# KiCad board uaefi.kicad_pcb (continued)
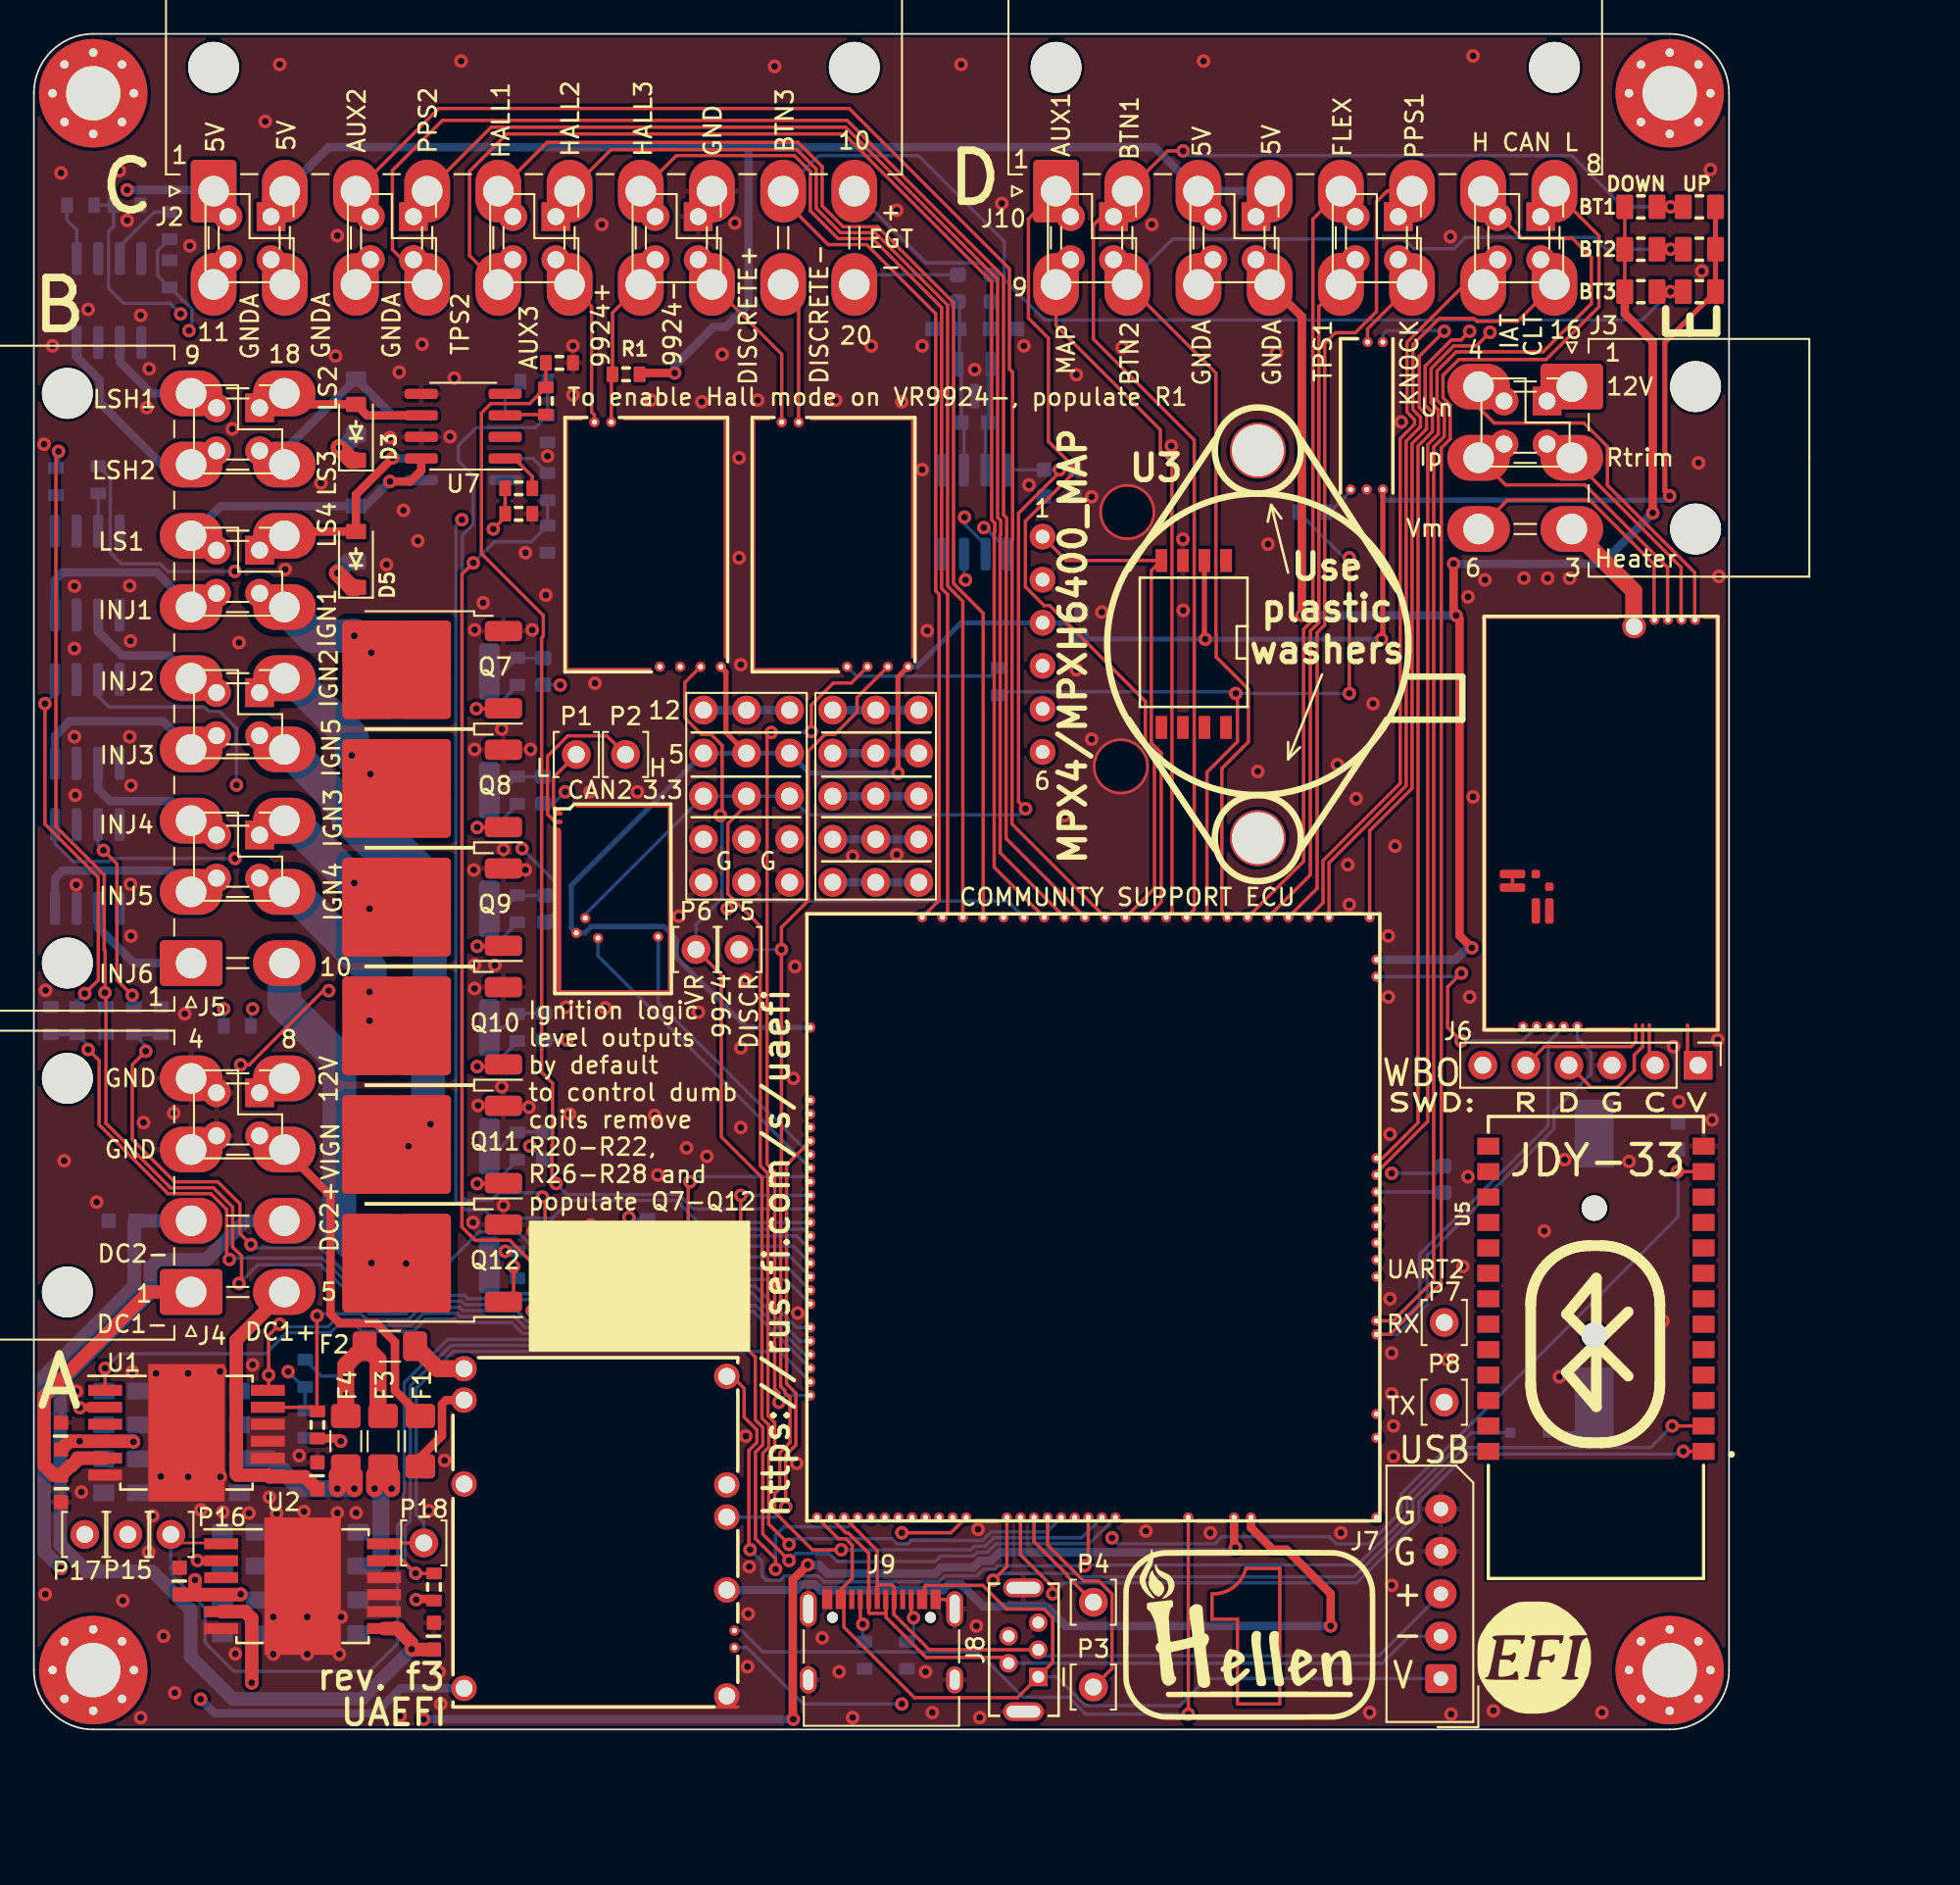
[diagram p0: board, top side]
## Footprints (pads in the part's own frame, mm; a bottom-side part is the same pattern mirrored in y, then rotated) (continued)
  oval 0.2x0.3 smd: S1(0.1,0.15) S1(0.1,0.15) S1(0.1,0.15) S1(16.9,20.65) S1(16.9,20.65) S1(16.9,20.65)
  oval 0.2x0.3 smd far side: S1(0.1,0.15) S1(16.9,20.65)
  oval 17x0.2 smd: S1(8.5,0.1) S1(8.5,0.1) S1(8.5,0.1)
  oval 17x0.2 smd far side: S1(8.5,0.1)
  oval 15.4x0.2 smd: S1(9.3,20.7) S1(9.3,20.7) S1(9.3,20.7)
  oval 15.4x0.2 smd far side: S1(9.3,20.7)
  oval 0.2x4.8 smd: S1(16.9,16.45) S1(16.9,16.45) S1(16.9,16.45)
  oval 0.2x4.8 smd far side: S1(16.9,16.45)
  oval 0.2x2.6 smd: S1(16.9,9.1) S1(16.9,9.1) S1(16.9,9.1)
  oval 0.2x2.6 smd far side: S1(16.9,9.1)
  oval 0.2x1 smd: S1(16.9,5.6) S1(16.9,5.6) S1(16.9,5.6)
  oval 0.2x1 smd far side: S1(16.9,5.6)
  oval 0.2x1.5 smd: S1(16.9,2.3) S1(16.9,2.3) S1(16.9,2.3)
  oval 0.2x1.5 smd far side: S1(16.9,2.3)
PROTO_AREA
  round 1.7 hole 1: 1(0,0) 2(2.54,0) 3(5.08,0) 4(7.62,0) 5(10.16,0) 6(0,-2.54) 7(2.54,-2.54) 8(5.08,-2.54) 9(7.62,-2.54) 10(10.16,-2.54) 11(0,-5.08) 12(2.54,-5.08) 13(5.08,-5.08) 14(7.62,-5.08) 15(10.16,-5.08)
R0603
  rrect 0.7x0.92 smd: 1(-0.8,0) 2(0.8,0)
R0805
  rrect 1x1.45 smd: 1(-0.95,0) 2(0.95,0)
R_2512_6332Metric
  rrect 1.225x3.35 smd: 1(-2.962,0) 2(2.962,0)
SOD-123
  rrect 0.9x1.2 smd: 1(-1.65,0) 2(1.65,0)
SOD-323
  rrect 0.6x0.6 smd: 1(-1.1,0) 2(1.1,0)
SOIC-8_3.9x4.9mm_P1.27mm
  rrect 1.95x0.6 smd: 1(-2.475,1.905) 2(-2.475,0.635) 3(-2.475,-0.635) 4(-2.475,-1.905) 5(2.475,-1.905) 6(2.475,-0.635) 7(2.475,0.635) 8(2.475,1.905)
SOT-23
  rrect 1.475x0.6 smd: 1(-0.938,0.95) 2(-0.938,-0.95) 3(0.938,0)
TO-252-2
  rrect 2.2x1.2 smd: 1(-5.04,2.28) 3(-5.04,-2.28)
  rrect 3.05x2.75 smd: 2(-0.415,1.525) 2(-0.415,-1.525) 2(2.935,1.525) 2(2.935,-1.525)
  rrect 6.4x5.8 smd: 2(1.26,0)
USB-MINI-B-VERTICAL
  rect 1.1x1.1 hole 0.7: 1(-1.6,-0.875)
  round 1.1 hole 0.7: 2(-0.8,0.875) 3(0,-0.875) 4(0.8,0.875) 5(1.6,-0.875)
  oval 1.1x2.4 hole 0.7x2: 6(-3.65,0) 6(3.65,0)
USB_C
  round 0.65 hole 0.65 unplated: (-2.89,2.605) (2.89,2.605)
  rect 0.3x1.15 smd: A1(-3.35,3.67) A4(-2.55,3.67) A5(-1.25,3.67) A6(-0.25,3.67) A7(0.25,3.67) A8(1.25,3.67) A9(2.55,3.67) A12(3.35,3.67) B1(3.05,3.67) B4(2.25,3.67) B5(1.75,3.67) B6(0.75,3.67) B7(-0.75,3.67) B8(-1.75,3.67) B9(-2.25,3.67) B12(-3.05,3.67)
  oval 1x2.1 hole 0.6x1.7: S1(-4.32,3.105) S1(4.32,3.105)
  oval 1x1.6 hole 0.6x1.2: S1(-4.32,-1.075) S1(4.32,-1.075)
vr-discrete
  round 0.6 hole 0.3: E1(14.8,6.9) E2(14.8,5.7) E3(14.8,8.1) E4(14.8,9.3) W1(0.375,2.84) W2(0.375,1.84)
  rect 0.25x6.185 smd: G(0.15,6.633) G(0.15,6.633) G(0.15,6.633)
  rect 0.25x6.185 smd far side: G(0.15,6.633)
  rect 0.25x1.115 smd: G(0.15,0.583) G(0.15,0.583) G(0.15,0.583)
  rect 0.25x1.115 smd far side: G(0.15,0.583)
  rect 14.275x0.25 smd: G(7.162,9.6) G(7.162,9.6) G(7.162,9.6)
  rect 14.275x0.25 smd far side: G(7.162,9.6)
  rect 15.1x0.25 smd: G(7.575,0.15) G(7.575,0.15) G(7.575,0.15)
  rect 15.1x0.25 smd far side: G(7.575,0.15)
  rect 0.25x5.175 smd: G(15,2.612) G(15,2.612) G(15,2.612)
  rect 0.25x5.175 smd far side: G(15,2.612)
vr-max9924
  round 0.6 hole 0.3: E1(14.8,6.9) E2(14.8,5.7) E3(14.8,8.1) E4(14.8,9.3) W1(0.375,2.84) W2(0.375,1.84)
  rect 0.25x6.185 smd: G(0.15,6.633) G(0.15,6.633) G(0.15,6.633)
  rect 0.25x6.185 smd far side: G(0.15,6.633)
  rect 0.25x1.115 smd: G(0.15,0.583) G(0.15,0.583) G(0.15,0.583)
  rect 0.25x1.115 smd far side: G(0.15,0.583)
  rect 14.275x0.25 smd: G(7.162,9.6) G(7.162,9.6) G(7.162,9.6)
  rect 14.275x0.25 smd far side: G(7.162,9.6)
  rect 15.1x0.25 smd: G(7.575,0.15) G(7.575,0.15) G(7.575,0.15)
  rect 15.1x0.25 smd far side: G(7.575,0.15)
  rect 0.25x5.175 smd: G(15,2.612) G(15,2.612) G(15,2.612)
  rect 0.25x5.175 smd far side: G(15,2.612)
wbo
  round 0.6 hole 0.3: E1(24.3,1.45) E2(24.3,3.85) E3(24.3,3.05) E4(24.3,2.25) W1(0.3,10.8) W2(0.3,10) W3(0.3,8.4) W4(0.3,9.2) W9(0.3,11.6)
  round 1.4 hole 1: E5(23.9,5.05)
  rect 0.25x1.9 smd: G(0.125,13.05) G(0.125,13.05) G(0.125,13.05) G(0.125,13.05)
  rect 0.25x1.9 smd far side: G(0.125,13.05)
  rect 0.25x2.65 smd: G(0.125,6.575)
  rect 0.25x7.9 smd far side: G(0.125,3.95)
  rect 0.25x7.9 smd: G(0.125,3.95) G(0.125,3.95)
  rect 0.25x1.6 smd: G(0.125,0.8)
  rect 24.6x0.25 smd: G(12.3,13.875) G(12.3,13.875) G(12.3,13.875) G(12.3,0.125) G(12.3,0.125) G(12.3,0.125)
  rect 24.6x0.25 smd far side: G(12.3,13.875) G(12.3,0.125)
  rect 0.25x8.05 smd: G(24.475,9.975) G(24.475,9.975) G(24.475,9.975)
  rect 0.25x8.05 smd far side: G(24.475,9.975)
  rect 0.25x0.95 smd: G(24.475,0.475) G(24.475,0.475) G(24.475,0.475)
  rect 0.25x0.95 smd far side: G(24.475,0.475)
  rrect 0.5x1.5 smd: J1(9.3,12.225) J_GND1(8.5,12.225)
  rrect 1.5x0.5 smd: J2(7.125,10.05) J_VCC2(7.125,10.85)
  rrect 0.5x0.5 smd: J_GND2(8.55,10.05) J_VCC1(9.3,10.85)
  rrect 0.5x0.2 smd: W5(0.25,4.95) W6(0.25,4.55) W7(0.25,4.15) W8(0.25,1.9)

## Nets
+3.3V: M6.N21 R9.2 R14.2 U1.2 U2.2
+3.3VA: C31.2 C32.2 C33.2 G3.3 G3.8 G3.13 M6.N15 M7.V2 U4.4 U5.12
+5V: M1.E4 M6.N22
+5VA: C27.2 G3.4 G3.9 G3.14 M2.E1 M3.E4 M4.E4 M5.W1 M6.E1 M6.W2 M7.V1 R38.2 R39.2 R40.2 U3.3
+5VP: J2.1 J2.2 J10.3 J10.4 J12.1 J12.2 J14.1 J14.2 M1.V4 R1.1
+12V: F2.1 F3.1 F4.1 J4.8 J22.1 R2.2
+12V_RAW: D2.1 D3.1 D4.1 D5.1 F2.2 G3.5 G3.10 G3.15 J3.1 J24.1 M1.V1 M1.V3
/12V_KEY: F1.1 J4.7 J22.3
/VBAT: D1.1 M1.E1 M6.N17
/VBUS: J7.1 J8.1 J9.A4 J9.A9 J9.B4 J9.B9 M6.N1
GND: BT1.2 C1.1 C2.1 C3.1 C4.1 C5.1 C6.1 C7.1 C8.1 C9.1 C10.1 C11.1 C12.1 C13.1 C14.1 C15.1 C16.1 C17.1 C18.1 C19.1 C20.1 C21.1 C22.1 C23.1 C24.1 C25.1 C26.1 C27.1 C28.1 C30.1 C31.1 C32.1 C33.1 D8.3 G3.1 G3.2 G3.6 G3.7 G3.11 G3.12 J2.8 J4.3 J4.4 J6.3 J7.4 J7.5 J8.5 J8.6 J9.A1 J9.A12 J9.B1 J9.B12 J9.S1 J17.1 J22.2 J22.4 M1.S1 M2.E2 M3.G M4.G M5.G M6.G M7.E1 Q7.3 Q8.3 Q9.3 Q10.3 Q11.3 Q12.3 R3.1 R7.1 R8.1 R10.1 R11.1 R12.1 R13.1 R15.2 R16.2 R29.1 R30.1 R31.1 R32.1 R33.1 R34.1 U1.6 U1.8 U1.9 U1.10 U1.13 U2.6 U2.8 U2.9 U2.10 U2.13 U3.2 U4.1 U5.13 U6.5 U6.7 U7.5 U7.7 U8.5 U8.7 U9.5 U9.7 U10.5 U10.7 U11.5 U11.7
GNDA: J2.11 J2.12 J2.13 J10.11 J10.12 J12.3 J12.4 J14.3 J14.4 J15.4 M6.W1 R35.1 R36.1 R37.1
/1_WBO_Ip: J3.5 J24.4 M5.E3
/2_WBO_Vm: J3.6 M5.E2
/3_WBO_Heater: J3.3 M5.E5
/5_WBO_Rtrim: J3.2 J24.3 M5.E4
/6_WBO_Un: J3.4 J24.2 M5.E1
/ADC3: M6.S15 R5.2 R6.2
/CAN+: J1.2 J10.7 M5.W4 M6.W11
/CAN-: J1.1 J10.8 M5.W3 M6.W12
/DC1_DIR: M6.E21 P15.1 U1.1
/DC1_DIS: M6.E8 R9.1 U1.11
/DC1_PWM: M6.E20 P17.1 U1.12
/DC2_DIR: M6.E9 P16.1 U2.1
/DC2_DIS: M6.N4 R14.1 U2.11
/DC2_PWM: M6.E22 P18.1 U2.12
/DC Driver 1/PWR: C1.2 C2.2 C3.2 C4.2 C5.2 C6.2 C7.2 C8.2 C9.2 C10.2 C11.2 F4.2 U1.4
/DC Driver 2/PWR: C14.2 C15.2 C16.2 C17.2 C18.2 C19.2 C20.2 C21.2 C22.2 C23.2 C24.2 F3.2 U2.4
/EGT+: J2.10 L1.1
/EGT-: J2.20 L2.1
/EGT/SPI_CS: M6.N9 U4.6
/IGN1: F6.2 M6.W10
/IGN2: F5.2 M6.W9
/IGN3: F7.2 M6.W8
/IGN4: F8.2 M6.W7
/IGN5: F9.2 M6.W6
/IGN6: F10.2 M6.W5
/IN_AUX1: J10.1 J13.2 M6.S11
/IN_AUX2: J2.3 J15.2 M6.S10
/IN_AUX3: J2.15 J16.4 M6.S7
/IN_BUTTON1: J10.2 J13.1 M6.S14 R35.2 R38.1
/IN_BUTTON2: J10.10 J13.3 M6.S16 R36.2 R39.1
/IN_BUTTON3: J2.9 M6.S1 R37.2 R40.1
/IN_CLT: J1.3 J10.16 M6.S21
/IN_FLEX: J10.5 J11.2 M6.S17
/IN_HALL1: J2.5 J16.2 M6.S4
/IN_HALL2: J2.6 J16.1 M6.S3
/IN_HALL3: J2.7 J17.2 M6.S2
/IN_IAT: J1.4 J10.15 M6.S20
/IN_KNOCK: M2.E3 R6.1
/IN_KNOCK_RAW: J10.14 J11.3 M2.W1
/IN_MAP: J10.9 J13.4 M6.S13
/IN_PPS1: J10.6 J11.1 M6.S19
/IN_PPS2: J2.4 J15.1 M6.S8
/IN_TPS1: J10.13 J11.4 M6.S18
/IN_TPS2: J2.14 J15.3 M6.S9
/IN_VIGN: F1.2 M1.V2
/IN_VMAIN: M6.S6 R2.1 R3.2
/INJ1: M6.E17 R29.2 R42.1
/INJ2: M6.E16 R30.2 R43.1
/INJ3: M6.E15 R31.2 R44.1
/INJ4: M6.E14 R32.2 R45.1
/INJ5: M6.E13 R33.2 R46.1
/INJ6: M6.E12 R34.2 R47.1
/INTERNAL_MAP: M6.S12 U3.1
/LS1: M6.E11 R10.2 R48.1
/LS2: M6.E10 R11.2 R49.1
/LS3: M6.E18 R12.2 R50.1
/LS4: M6.E19 R13.2 R51.1
/LS_HOT1: M6.W4 R16.1 R41.1
/LS_HOT2: M6.W3 R4.1 R15.1
/MISO3: M6.N11 U4.7
/OUT_DC1+: C13.2 J4.5 U1.7
/OUT_DC1-: C12.2 J4.1 U1.5
/OUT_DC2+: C26.2 J4.6 U2.7
/OUT_DC2-: C25.2 J4.2 U2.5
/OUT_IGN1: J5.15 J19.3 Q7.2 R20.2
/OUT_IGN2: J5.14 J20.1 Q8.2 R21.2
/OUT_IGN3: J5.12 J21.1 Q9.2 R22.2
/OUT_IGN4: J5.11 J21.3 Q10.2 R26.2
/OUT_IGN5: J5.13 J20.3 Q11.2 R27.2
/OUT_IGN6: J5.10 Q12.2 R28.2
/OUT_INJ1: J5.6 J19.4 U9.8
/OUT_INJ2: J5.5 J20.2 U9.6
/OUT_INJ3: J5.4 J20.4 U10.8
/OUT_INJ4: J5.3 J21.2 U10.6
/OUT_INJ5: J5.2 J21.4 U11.8
/OUT_INJ6: J5.1 U11.6
/OUT_LS1: D2.2 J5.7 J19.2 U7.8
/OUT_LS2: D3.2 J5.18 J18.1 U7.6
/OUT_LS3: D4.2 J5.17 J18.3 U8.8
/OUT_LS4: D5.2 J5.16 J19.1 U8.6
/OUT_LS_HOT1: J5.9 J18.2 U6.6
/OUT_LS_HOT2: J5.8 J18.4 U6.8
/PG_5VP: M1.E6 M6.N12
/PWR_EN: M1.E5 M6.N20
/SCK3: M6.N10 U4.5
/USB+: J7.3 J8.3 J9.A6 J9.B6 M6.N3
/USB-: J7.2 J8.2 J9.A7 J9.B7 M6.N2
/VIGN: M1.E3 M6.E5
/VR_DISCRETE: M3.E3 M6.N18 P5.1
/VR_DISCRETE+: J2.18 J17.3 M3.W2
/VR_DISCRETE-: J2.19 M3.W1
/VR_DISCRETE_A: M3.E2 R5.1
/VR_DISCRETE_THR: M3.E1 M6.E23
/VR_MAX9924: M4.E3 M6.N19 P6.1
/VR_MAX9924+: J2.16 J16.3 M4.W2
/VR_MAX9924-: J2.17 J17.4 M4.W1 R1.2
/VREF1: M2.W2 M6.S22
Net-(BT1-+): BT1.1 D1.2
Net-(F5-Pad1): F5.1 R18.2 R21.1
Net-(F6-Pad1): F6.1 R17.2 R20.1
Net-(F7-Pad1): F7.1 R19.2 R22.1
Net-(F8-Pad1): F8.1 R23.2 R26.1
Net-(F9-Pad1): F9.1 R24.2 R27.1
Net-(F10-Pad1): F10.1 R25.2 R28.1
Net-(G4-Pad1): G4.1 G4.6 G4.11
Net-(G4-Pad10): G4.5 G4.10 G4.15
Net-(G4-Pad12): G4.2 G4.7 G4.12
Net-(G4-Pad13): G4.3 G4.8 G4.13
Net-(G4-Pad14): G4.4 G4.9 G4.14
Net-(J6-Pin_1): J6.1 M5.W8
Net-(J6-Pin_2): J6.2 M5.W7
Net-(J6-Pin_4): J6.4 M5.W6
Net-(J6-Pin_5): J6.5 M5.W5
Net-(J9-CC1): J9.A5 R7.2
Net-(J9-CC2): J9.B5 R8.2
Net-(M5-PULL_DOWN1): M5.J1 M5.J_GND1
Net-(M6-LED_GREEN): M6.N14a P4.1
Net-(M6-LED_YELLOW): M6.N14b P3.1
Net-(M6-SPI2_CS_/_CAN2_RX_(PB12)): M6.E6 M7.V6
Net-(M6-SPI2_SCK_/_CAN2_TX_(PB13)): M6.E7 M7.V5
Net-(M6-UART2_RX_(PD6)): M6.N14 P7.1 U5.1
Net-(M6-UART2_TX_(PD5)): M6.N13 P8.1 U5.2
Net-(M7-CANH): M7.S2 P2.1
Net-(M7-CANL): M7.S1 P1.1
Net-(Q7-G): Q7.1 R17.1
Net-(Q8-G): Q8.1 R18.1
Net-(Q9-G): Q9.1 R19.1
Net-(Q10-G): Q10.1 R23.1
Net-(Q11-G): Q11.1 R24.1
Net-(Q12-G): Q12.1 R25.1
Net-(U4-T+): C29.2 C30.2 D8.2 L1.2 U4.3
Net-(U4-T-): C28.2 C29.1 D8.1 L2.2 U4.2
Net-(U6-IN1): R4.2 U6.1
Net-(U6-IN2): R41.2 U6.3
Net-(U7-IN1): R48.2 U7.1
Net-(U7-IN2): R49.2 U7.3
Net-(U8-IN1): R50.2 U8.1
Net-(U8-IN2): R51.2 U8.3
Net-(U9-IN1): R42.2 U9.1
Net-(U9-IN2): R43.2 U9.3
Net-(U10-IN1): R44.2 U10.1
Net-(U10-IN2): R45.2 U10.3
Net-(U11-IN1): R46.2 U11.1
Net-(U11-IN2): R47.2 U11.3

Pads without a net: H1 1; H2 1; H3 1; H4 1; J6 6; J8 4; J9 A8 B8; M1 E2; M4 E1 E2; M5 J2 J_GND2 J_VCC1 J_VCC2 W2 W9; M6 E2 E3 E4 N5 N6 N7 N8 N16 N23 S5 W13 W14; U1 3; U2 3; U3 0 4 5 6; U4 8; U5 3 4 5 6 7 8 9 10 11 14 15 16 17 18 19 20 21 22 23 24 25 26; U6 2 4; U7 2 4; U8 2 4; U9 2 4; U10 2 4; U11 2 4

## Via types
v1: diameter 0.8, hole 0.4, Top to Bottom, 374 vias
v2: diameter 3.3, hole 3, Top to Bottom, 2 vias

## Routing (per net, layer and track width the routed paths; a pad name or vN(x,y) marks a point on that pad's centre or on a via; arc(x,y) is an arc through that point)
+3.3V: length 105.7
  Top w0.5: v1(44.8,0.6) 44.77,0.63 44.77,8.82 v1(45.65,9.71) ; R14.2 23.5,7.7 22.4,7.7 ; v1(2.71,18.97) 2.73,19 U1.2 ; v1(70.88,10.72) 70.8,10.8 M6.N21 ; v1(9.65,9.96) 9.66,9.95 10.82,9.95 ; v1(18.1,17) 17.94,17.16 R9.2
  In2.Cu w0.5: 16.95,10.24 16.95,15.85 v1(18.1,17) ; v1(23,0.6) 23,4.05 23.41,4.46 23.41,6.69 19.86,10.24 9.66,10.24 9.42,10 9.5,10.08 9.5,11.95 8.7,12.75 8.22,12.75 2.71,18.26 v1(2.71,18.97)
  Bottom w0.5: v1(44.8,0.6) v1(23,0.6) ; v1(45.65,9.71) 46.32,9.71 46.82,9.2 53.18,9.2 53.53,9.56 55.43,9.56 55.82,9.95 56.47,9.95 56.97,10.45 70.61,10.45 v1(70.88,10.72)
  vias: v1(22.55,7.65)
+3.3VA: length 169.7
  Top w0.2: U5.12 97.11,32.9 97,32.79 ; v1(58.5,54.3) 58.08,54.72 58.08,71.73 60.5,74.15 v1(60.5,74.29) ; v1(44.55,10.91) 43.35,12.11 43.35,16.15 43.7,16.5 43.7,18.1 43.3,18.5 43.3,32.79 42.85,33.24 42.85,47.37 40.94,49.28 40.94,53.42 42.04,54.52 G3.8
  In2.Cu w0.2: v1(63.6,11.3) 61.8,11.3 M6.N15
  Bottom w0.2: M7.V2 32.52,48.06 G3.3 G3.13 45.68,53.94 58.14,53.94 v1(58.5,54.3) ; 57.41,74.28 57.42,74.29 C32.2 ; v1(63.6,11.3) 63.95,10.95 69.67,10.95 70.09,11.37 76.41,11.37 76.83,10.95 78.75,10.95 80.65,12.85 80.65,13.88 97,30.23 C33.2 ; M6.N15 59.75,11.65 56.47,11.65 55.97,11.15 51.77,11.15 51.57,10.95 50.93,10.95 50.63,11.25 44.89,11.25 v1(44.55,10.91)
  vias: v1(96.95,32.9)
+5V: length 45.9
  Top w0.5: v1(76.5,6.1) 76.5,8 73.9,10.6 73.1,10.6 71.8,11.9 M6.N22
  Bottom w0.5: v1(76.5,6.1) 60.87,6.1 59.72,7.25 56,7.25 54.69,8.56 53.95,8.56 53.59,8.2 46.41,8.2 46.05,8.56 45.31,8.56 44.98,8.22 M1.E4
+5VA: length 170.3
  Top w0.2: v1(84.21,44.61) 83.4,43.79 83.4,41.41 v1(84.2,40.61)
  Top w0.3: R38.2 R40.2 96.22,81.81 96.22,73.03 v1(96.5,72.75) ; G3.9 40.83,58.8 40.83,62.38 M4.E4 ; M2.E1 79.57,64.37 v1(79.5,64.3) ; U3.3 69.05,64.35 v1(69.1,64.3) ; M3.E4 50.97,62.07 v1(50.97,56.4)
  In2.Cu w0.2: v1(84.21,44.61) 84.18,44.65 84.18,59.62 v1(79.5,64.3)
  Bottom w0.2: v1(84.21,44.61) 84.01,44.4 M6.W2 ; v1(84.2,40.61) 85.35,40.61 85.35,40.61 87.81,40.61 M5.W1
  Bottom w0.3: v1(96.5,72.75) 96.25,72.5 79.78,72.5 79.57,72.7 M2.E1 ; M6.E1 42.03,41.4 37.91,45.52 37.91,46.59 37.15,47.35 32.87,47.35 32.5,46.98 M7.V1 31.7,47.28 31.7,49.78 G3.4 G3.14 45.76,56.4 v1(50.97,56.4) ; M3.E4 52.1,62.67 54.69,65.27 U3.3 60.84,65.27 C27.2 69.09,64.31 v1(69.1,64.3) v1(79.5,64.3)
+5VP: length 201.8
  Top w0.5: R1.1 35.81,80 v1(37.8,80)
  In2.Cu w0.5: v1(5.5,90.8) 4.6,89.9 4.6,52.6 4.96,52.24 4.96,51.56 4.84,51.45 4.84,44.26 4.99,44.11 4.99,24.99 0.7,20.7 0.7,9.1 1.2,8.6 6.05,8.6 9.83,4.82 v1(9.83,1.78) ; J2.1 J2.2
  Bottom w0.5: J2.2 17.4,93.33 42.15,93.33 ; J10.4 J10.3 66.1,93.33 42.15,93.33 ; v1(9.83,1.78) 10.67,0.95 20.15,0.95 21.63,2.43 M1.V4 ; 42.15,93.33 42.16,93.31 42.16,84.06 40.83,82.72 40.09,82.72 37.8,80.43 v1(37.8,80) ; J2.1 10.52,90.8 v1(5.5,90.8)
+12V: length 36.9
  Top w1: 20.3,18.49 v1(20.3,19.75) v1(20.3,20.85) 20.3,21.81 F2.1 18.4,21.49 v1(18.4,20.85) v1(18.4,19.75) F4.1
  In2.Cu w1: J4.8 18.4,34.78 18.4,20.9 ; 18.4,20.9 18.45,20.85 v1(20.3,20.85) v1(20.3,19.75) v1(18.4,19.75) 18.4,20.9
  Bottom w0.2: v1(18.4,20.85) 16.95,20.85 R2.2
+12V_RAW: length 255.4
  Top w1: F2.2 23.81,21.28 M1.V1 ; v1(18,75.6) 18.75,74.85 D3.1 ; D5.1 18.75,67.35 v1(17.9,68.2)
  In2.Cu w0.5: v1(17.9,68.2) 24.36,61.74 27.95,61.74 29.14,60.55 33.68,60.55 34.03,60.9 38.72,60.9 G3.5
  In2.Cu w1: J3.1 91.7,80.17 91.7,92.1 88.9,94.9 19.85,94.9 18.17,93.22 9.12,93.22 8.57,92.68 8.57,90.29 7.6,89.31 7.6,81.12 7.92,80.8 16.1,80.8 18,78.9 v1(18,75.6) 18,72.45 ; 23.17,21.3 23.2,21.28 M1.V1 ; 23.17,21.3 23.17,15.23 23.93,14.47 M1.V3 ; 23.17,21.3 23.17,27.82 19.75,31.25 19.75,36.79 15.94,40.6 8.6,40.6 6.85,42.35 6.85,43.65 6.77,43.72 6.77,71.43 7.8,72.45 18,72.45 ; 18,72.45 18,68.3 v1(17.9,68.2)
  Bottom w0.5: G3.15 G3.5
  Bottom w1: 18,75.61 18.26,75.61 D4.1 ; D2.1 18.55,68.85 v1(17.9,68.2)
/12V_KEY: length 20.3
  Top w0.5: F1.1 21.3,19.99 21.3,22.85 20.2,23.95 18.05,23.95 17.5,24.5 17.5,31.47 J4.7
/VBAT: length 64.9
  Top w0.2: M1.E1 41.19,20.82 41.9,20.12 41.9,18.42 42.65,17.67 42.65,16.93 42.17,16.45 42.17,10.69 42.25,10.61 v1(42.25,10.6) ; v1(61.99,9.65) 62.2,9.86 M6.N17
  Bottom w0.2: D1.1 84.79,17.5 81,13.71 81,12.61 78.09,9.7 62.04,9.7 v1(61.99,9.65) 56.87,9.65 56.67,9.45 56.03,9.45 55.64,9.06 53.74,9.06 53.39,8.7 46.61,8.7 46.26,9.06 44.27,9.06 44.02,8.8 43.2,8.8 42.95,9.05 42.95,9.9 v1(42.25,10.6)
/VBUS: length 60.3
  Top w0.2: J9.B4 J9.A9 52.55,8.44 52.6,8.5 55.97,8.5 57.37,7.1 59.58,7.1 60.1,6.58 60.1,3.95 J8.1 58.03,1.88 51.94,1.88 47.78,6.03 47.78,7.63 J9.B9 J9.A4 47.45,8.09 48.27,8.92 48.27,10.86 47.89,11.24 47.46,11.24 M6.N1
  Bottom w0.2: J7.1 69.2,3 67.6,1.4 62.04,1.4 60.34,3.1 J8.1
GND: length 1.5
  Top w0.2: J9.S1 53.75,7.67 J9.B1
  vias: v1(0.6,75.8) v1(0.69,43.59) v1(0.67,7.97) v1(1.1,81.6) v1(1.6,91.8) v1(1.79,33.54) v1(2.39,67.43) v1(2.39,63.75) v1(2.39,58.55) v1(2.44,55.1) v1(2.49,49.81) v1(2.51,19.94) v1(2.8,14) v1(3.2,83.75) v1(3.7,31.1) v1(5.04,91.94) v1(5.25,7.6) v1(5.5,89) v1(5.65,67.45) v1(5.65,58.55) v1(5.7,64.2) v1(5.72,55.67) v1(5.7,49.85) v1(5.73,46.8) v1(5.8,21.1) v1(6.3,83.4) v1(6.3,0.7) v1(6.47,35.79) v1(6.66,77.96) v1(6.8,80.25) v1(6.77,10.46) v1(7,12.6) v1(7.2,21) v1(7.48,14.92) v1(7.65,5.5) v1(8.25,36.35) v1(8.31,2.16) v1(8.9,42.2) v1(9.1,21) v1(9.1,14.9) v1(9.2,87.5) v1(9.85,12.95) v1(10.98,21.11) v1(11,14.9) v1(11.14,12.82) v1(11.7,76.7) v1(11.88,4.46) v1(12.1,64.1) v1(12.69,12.76) v1(12.9,21.5) v1(13.65,94.84) v1(13.9,13.7) v1(14.12,6.64) v1(14.12,4.44) v1(14.32,12.74) v1(14.5,98.2) v1(14.82,68.42) v1(15.65,16.15) v1(15.94,12.85) v1(16.12,6.64) v1(16.12,4.44) v1(16.93,73.51) v1(17.8,81) v1(17.9,88.1) v1(17.9,12.77) v1(18.02,4.44) v1(18.12,6.64) v1(19.01,12.77) v1(20.8,68.7) v1(21,76.2) v1(21.55,80.05) v1(21.6,0.8) v1(21.8,71.9) v1(22.65,70.1) v1(22.9,81.7) v1(23.3,12.9) v1(23.9,3.4) v1(24,1.5) v1(24.22,15.86) v1(24.55,76.25) v1(24.8,79.7) v1(25.2,98.4) v1(25.9,29.9) v1(26,64.85) v1(26,57.8) v1(25.95,50.69) v1(26,45.1) v1(26,43.7) v1(26.2,36.8) v1(26.5,66.45) v1(27.2,45.07) v1(27.6,59) v1(27.6,37.9) v1(27.7,51.9) v1(27.7,30.9) v1(29,69.4) v1(28.99,50.69) v1(29.2,36.7) v1(29.3,57.8) v1(29.4,64.85) v1(29.46,29.39) v1(30.2,66.9) v1(30.3,75.1) v1(30.8,28.85) v1(31.4,42.6) v1(31.6,36.3) v1(31.8,81.6) v1(31.8,78.7) v1(32.8,55.3) v1(32.85,29.75) v1(33.1,61.7) v1(33.5,88.76) v1(33.71,42.55) v1(34.95,25.35) v1(35.6,55.3) v1(36.4,78.4) v1(36.61,36.22) v1(36.8,32.7) v1(38.05,47.96) v1(38.5,34.3) v1(39.2,42.3) v1(39.4,78.3) v1(39.6,24.2) v1(39.7,33.8) v1(40.6,81.1) v1(41.35,88.85) v1(41.6,75) v1(41.6,69.1) v1(41.7,62.8) v1(41.7,40.2) v1(41.7,35.5) v1(41.99,44.24) v1(42,17.3) v1(42.14,6.81) v1(42.1,3.7) v1(42.2,9.6) v1(42.7,78.4) v1(43.7,98.09) v1(44.8,38.4) v1(44.9,45) v1(45,15.7) v1(45.06,24.56) v1(46.5,5.4) v1(47.3,78.4) v1(47.5,3.4) v1(48.3,51.5) v1(48.3,0.7) v1(49.4,81.6) v1(50.9,89.6) v1(50.9,51.6) v1(51.2,78.3) v1(52.4,81.6) v1(52.4,74.3) v1(52.6,3.4) v1(52.7,64.8) v1(53,1) v1(54.7,98.2) v1(55.5,80.2) v1(55.6,6.1) v1(55.7,11.8) v1(55.8,0.7) v1(57.1,90) v1(58.4,81.6) v1(58.7,73.4) v1(60.8,53.9) v1(61.5,79.9) v1(61.5,62.5) v1(62.4,72.7) v1(62.4,58.4) v1(63,65.9) v1(64.2,81.5) v1(65.6,11.7) v1(65.95,88.76) v1(67.1,75.7) v1(67.78,70.2) v1(67.8,66) v1(69,98.4) v1(69.4,11.6) v1(72.2,56.5) v1(72.8,69.9) v1(73.3,81.2) v1(76.9,56.9) v1(77.1,11.6) v1(77.51,51) v1(77.6,48.65) v1(78,54.9) v1(78.8,1) v1(79,60.5) v1(79.9,46.8) v1(79.9,43.2) v1(80,35.1) v1(80,25.4) v1(80.1,22.2) v1(80.1,19.8) v1(80.1,8.5) v1(80.2,17.9) v1(80.2,16.1) v1(80.3,52.1) v1(80.67,77.12) v1(83.4,21.8) v1(83.56,88.04) v1(83.6,0.9) v1(84.3,27.3) v1(84.6,66.8) v1(84.6,32.6) v1(84.7,43.2) v1(84.9,98.7) v1(84.9,55) v1(85.6,67.8) v1(86.1,1.1) v1(87.9,67.9) v1(89.1,29.4) v1(89.3,67.9) v1(90,20.8) v1(90.3,33.6) v1(90.6,67.9) v1(92.5,1) v1(94.1,33.5) v1(96.1,24.1) v1(96.72,40.28) v1(97.05,37.02) v1(98.2,74.7) v1(98.39,86.01) v1(98.9,92) v1(99,35.95) v1(99.33,40.67) v1(99.4,68) v2(64.12,56.8) v2(64.5,71.8)
GNDA: length 155.1
  Top w0.2: R35.1 R37.1
  Top w0.5: v1(83.75,68.75) 83.75,65.85 v1(83.9,65.7) 84.1,65.5 84.1,46.83 v1(84.83,46.1) ; v1(74.8,65.7) 74.8,83.33 J10.12 ; v1(95.5,71.75) 95.5,81.85 93.85,83.5 R37.1
  In2.Cu w0.5: J10.12 J10.11 65.97,87.95 21.11,87.95 19,85.83 J2.13 J2.11
  Bottom w0.5: M6.W1 83.87,45.4 84.57,46.1 v1(84.83,46.1) ; v1(95.5,71.75) 92.5,68.75 v1(83.75,68.75) ; v1(74.8,65.7) v1(83.9,65.7)
/1_WBO_Ip: length 16.9
  Top w0.2: J3.5 86.82,73.4 91.5,73.4 96.38,68.53 96.38,65.47 M5.E3
/2_WBO_Vm: length 15.9
  Top w0.2: M5.E2 95.57,65.47 95.57,68.71 91.79,72.5 86.93,72.5 J3.6
/3_WBO_Heater: length 7.3
  Top w1: M5.E5 94.38,65.08 94.38,67.15 J3.3
/5_WBO_Rtrim: length 12.2
  Top w0.2: M5.E4 97.18,65.47 97.18,68.54 90.72,74.99 J3.2
/6_WBO_Un: length 22.1
  Top w0.2: J3.4 85.22,77.97 86.15,77.05 91.44,77.05 92.82,75.66 92.82,73.38 97.97,68.23 97.97,65.47 M5.E1
/ADC3: length 46.9
  Top w0.2: v1(70.9,61.1) 71,61 71,58.26 69.2,56.46 M6.S15 ; v1(77.6,69.1) v1(77.6,61.1)
  Bottom w0.2: v1(77.6,69.1) 77.3,69.1 R6.2 ; R5.2 57.1,61.2 70.8,61.2 v1(70.9,61.1) v1(77.6,61.1)
/CAN+: length 103
  Top w0.2: J10.7 85.5,90.22 87.77,87.95 90.75,87.95 91.88,86.83 91.88,84.09 89.03,81.25 84.47,81.25 83.91,81.25 82.78,80.12 82.78,78.4 83.01,78.17 83.01,78.16 83.2,77.97 83.2,76.26 82.57,75.63 82.57,26.49 80.18,24.1 M6.W11
  Bottom w0.2: M5.W4 89.32,40.53 89.32,35.61 81.75,28.03 81.75,25.14 80.71,24.1 M6.W11
/CAN-: length 102.2
  Top w0.2: J10.8 92.32,88.1 92.32,83.91 89.22,80.8 84.06,80.8 83.12,79.86 83.12,78.55 83.36,78.31 83.36,78.3 83.55,78.11 83.55,76.11 83.03,75.59 83.03,26.31 80.02,23.3 M6.W12
  Bottom w0.2: M5.W3 91.05,40.75 91.85,39.95 91.85,38.65 89.68,36.47 89.68,35.42 82.2,27.95 82.2,25.1 80.4,23.3 M6.W12
/DC1_DIR: length 64
  Top w0.2: U1.1 v1(4.2,21.3)
  In2.Cu w0.2: v1(4.2,21.3) 2.2,21.3 1.2,20.3 1.2,11.74 2.54,10.4 4.44,10.4 P15.1
  Bottom w0.2: M6.E21 42.45,24.65 41.23,24.65 39.93,23.35 28.84,23.35 28.19,24 25.02,24 24.82,24.2 23.12,24.2 22.4,23.47 19.35,23.47 19,23.82 17.92,23.82 17.49,23.4 14.92,23.4 13.68,22.16 5.06,22.16 v1(4.2,21.3)
/DC1_DIS: length 46.5
  Top w0.2: v1(16.7,24.4) 16.7,18.78 R9.1 16.48,19 U1.11 ; v1(38.62,25.06) 38.6,25.08 38.6,32.2 v1(38.7,32.3)
  Bottom w0.2: v1(38.7,32.3) 39,32.6 45.5,32.6 M6.E8 ; v1(16.7,24.4) 16.83,24.53 19.29,24.52 19.64,24.17 22.11,24.18 22.83,24.9 25.11,24.9 25.31,24.7 28.48,24.7 29.13,24.05 37.61,24.05 v1(38.62,25.06)
/DC1_PWM: length 61
  Top w0.2: U1.12 13.85,20.05 v1(13.85,20.9) 13.85,23.25 v1(14.5,23.9)
  In2.Cu w0.2: P17.1 1.6,12.9 1.6,20.21 1.99,20.6 4.7,20.6 5.3,20 13.6,20 13.85,20.25 v1(13.85,20.9)
  Bottom w0.2: v1(14.5,23.9) 14.65,23.75 17.35,23.75 17.78,24.18 19.15,24.17 19.5,23.82 22.2,23.82 22.25,23.83 22.98,24.55 24.97,24.55 25.17,24.35 28.34,24.35 28.99,23.7 38.18,23.7 39.48,25 42.6,25 45.5,22.1 M6.E20
/DC2_DIR: length 71.5
  Top w0.15: P16.1 8.58,11 10.9,11
  Top w0.2: v1(41.7,24) v1(41.7,31.5)
  Bottom w0.2: P16.1 8.08,9.17 10.09,7.16 10.09,5.13 11.79,3.43 19.83,3.43 21.45,5.05 21.45,12.04 21.8,12.39 21.8,13.9 21.85,13.95 21.85,20.45 24.4,23 40.5,23 41.5,24 v1(41.7,24) ; M6.E9 v1(41.7,31.5)
/DC2_DIS: length 57.3
  Top w0.2: v1(43.75,9.45) 43.75,10.07 42.57,11.25 42.57,16.36 43,16.79 43,17.81 42.56,18.26 42.56,21.96 v1(41.57,22.95) ; R14.1 22.43,9.2 ; U2.11 21.78,9.95 v1(22.52,9.21) 22.58,9.15
  Bottom w0.2: M6.N4 48.05,11.95 44.24,11.95 43.75,11.46 v1(43.75,9.45) ; v1(41.57,22.95) 41.27,22.65 24.6,22.65 22.2,20.25 22.2,12.3 21.9,12 21.9,9.73 22.37,9.26
/DC2_PWM: length 36.7
  Top w0.2: 20.5,11 P18.1
  Bottom w0.2: M6.E22 44,22.3 24.74,22.3 22.55,20.11 22.55,12.65 23,12.2 P18.1
/DC Driver 1/PWR: length 15
  Top w0.8: C11.2 2.09,17 v1(2.7,17) U1.4 5.84,17 v1(5.88,16.96)
  Top w1: v1(18.9,14.2) 18.9,15.01 F4.2 17.9,15.01 v1(17.9,14.2)
  Bottom w1: v1(18.9,14.2) 15.72,14.2 13.96,15.96 C10.2
/DC Driver 2/PWR: length 14.9
  Top w0.8: 9.62,7.95 9.5,8.08 v1(9.5,8.82) ; 9.62,7.95 U2.4 12.18,7.95 v1(12.2,7.97) ; 9.62,7.95 8.61,7.95
  Top w1: v1(21.1,14.2) 21.1,15.01 F3.2 20.1,15.01 v1(20.1,14.2)
  Bottom w1: v1(21.1,14.2) v1(20.1,14.2) 20.48,13.82 20.48,10.03 20.09,9.64 C18.2 19.62,9.64
/EGT+: length 10.1
  Bottom w0.2: L1.1 55.79,86.5 52.62,86.5 J2.10
/EGT-: length 6.3
  Bottom w0.2: J2.20 48.96,85.79 L2.1
/EGT/SPI_CS: length 111.5
  In2.Cu w0.2: M6.N9 55.2,9.9 60,9.9 60.9,9 77.5,9 81.82,13.32 81.82,27.12 83.45,28.75 83.45,52.54 68.29,67.7 61.56,67.7 59.92,69.34 58.5,69.34 56.3,71.53 54.93,71.53 v1(54.9,71.5)
  Bottom w0.2: v1(54.9,71.5) 54.9,71.1 56.14,69.87 U4.6
/IGN1: length 81
  In2.Cu w0.2: M6.W10 82.4,29.9 82.4,48.2 75.7,54.9 61.3,54.9 59.56,56.64 58.86,56.64 54.1,61.4 33.82,61.4 33.47,61.05 31.6,61.05 v1(31.05,61.6)
  Bottom w0.2: F6.2 31.04,61.61 v1(31.05,61.6)
/IGN2: length 78.3
  In2.Cu w0.2: v1(31.35,55.3) 31.35,55.9 31.65,56.2 50.06,56.2 50.53,55.73 51.22,55.73 51.63,56.14 59.48,56.14 61.12,54.5 75.59,54.5 82.05,48.04 82.05,30.55 M6.W9
  Bottom w0.2: F5.2 30.66,54.61 v1(31.35,55.3)
/IGN3: length 82.8
  In2.Cu w0.2: v1(28.8,51.95) 29.69,51.06 42.16,51.06 43.14,52.04 43.14,52.62 44.12,53.6 52.66,53.6 55.91,50.35 79.25,50.35 81.7,47.9 81.7,31.2 M6.W8
  Bottom w0.2: F7.2 30.88,48.34 30.88,49.88 v1(28.8,51.95)
/IGN4: length 77.2
  In2.Cu w0.2: v1(31.45,40.65) 35.45,40.65 40.16,45.36 40.16,46.52 43.14,49.5 43.14,50.08 44.12,51.06 47.62,51.06 47.93,50.75 48.57,50.75 48.88,51.06 50.42,51.06 50.53,50.95 51.57,50.95 51.68,51.06 52.66,51.06 53.72,50 79.11,50 81.35,47.76 81.35,31.85 M6.W7
  Bottom w0.2: F8.2 31.44,40.66 v1(31.45,40.65)
/IGN5: length 79.1
  In2.Cu w0.2: v1(29.25,34.4) 29.25,35.12 31.73,37.6 33,37.6 40.3,44.9 42.06,44.9 42.75,45.59 42.75,47.15 44.4,48.8 52.81,48.8 53.66,49.65 78.96,49.65 81,47.61 81,32.5 M6.W6
  Bottom w0.2: v1(29.25,34.4) 29.99,33.66 F9.2
/IGN6: length 4
  Bottom w0.2: M6.W5 83.11,31.7 F10.2
/IN_AUX1: length 49.8
  Top w0.2: J10.1 58.67,89.09 58.67,83.23 59.85,82.05 59.85,75.96 61.25,74.56 61.25,74.02 58.49,71.26 58.49,67.39 59.6,66.28 59.92,66.28 65.57,60.64 65.57,58.03 66.1,57.5 66.1,49.6 M6.S11
/IN_AUX2: length 85.1
  Top w0.2: J2.3 23.88,95.6 48.1,95.6 57.55,86.15 57.55,80.23 57.73,80.05 57.73,70.18 57.7,70.15 57.7,53.4 M6.S10
/IN_AUX3: length 81.5
  Top w0.2: J2.15 25.7,86.92 25.7,91.9 27.9,94.1 47.79,94.1 56.5,85.39 56.5,71.34 56.68,71.15 56.68,70.62 56.65,70.58 56.65,70 56.65,50.85 M6.S7
/IN_BUTTON1: length 82.3
  Top w0.15: R38.1 v1(96.55,89.8) R35.2
  Top w0.2: M6.S14 68.45,48.35 68.45,76.05 62.5,82 62.5,88.72 J10.2 66.88,93.1 v1(67.8,93.1)
  Bottom w0.2: v1(67.8,93.1) 68.08,92.83 90.72,92.83 93.75,89.8 v1(96.55,89.8)
/IN_BUTTON2: length 76.6
  Top w0.15: R39.1 v1(96.55,87.3) R36.2
  Top w0.2: M6.S16 70.08,48.22 70.08,56.68 71.65,58.25 71.65,61.35 69.75,63.25 69.75,64.57 69.73,64.59 69.73,80 J10.10
  Bottom w0.2: v1(96.55,87.3) 92.75,87.3 92.05,88 84.45,88 83.77,87.33 81.41,87.33 80.83,87.9 67.17,87.9 J10.10
/IN_BUTTON3: length 109.2
  Top w0.15: R40.1 v1(96.55,84.8) R37.2
  Top w0.2: M6.S1 53.4,48.9 53.4,66.95 53.2,67.15 53.2,83.5 49.12,87.58 46.85,87.58 44.2,90.22 J2.9
  Bottom w0.2: v1(96.55,84.8) 94.88,83.12 59.64,83.12 57.25,85.51 57.25,87.75 52.17,92.83 46.3,92.83 J2.9
/IN_CLT: length 46.2
  Top w0.2: M6.S21 76.4,51.11 80.95,55.66 80.95,75.99 81.8,76.84 81.8,77.39 81.61,77.58 81.61,77.59 81.35,77.85 81.35,81.67 82.89,83.21 84.96,83.21 85.12,83.05 87.53,83.05 J10.16
/IN_FLEX: length 45.1
  Top w0.2: M6.S17 74.9,51.2 74.9,64.88 75.45,65.43 75.45,89.08 J10.5
/IN_HALL1: length 70.3
  Top w0.2: M6.S4 56,65.83 54.25,67.58 54.25,84.15 49.78,88.62 47.74,88.62 46.5,89.86 46.5,92.18 45.08,93.6 30.28,93.6 J2.5
/IN_HALL2: length 64.9
  Top w0.2: J2.6 34.05,93.17 45.01,93.17 46.15,92.03 46.15,89.72 47.59,88.28 49.63,88.28 53.9,84.01 53.9,67.44 54.8,66.54 M6.S3
/IN_HALL3: length 59.9
  Top w0.2: M6.S2 53.9,48.2 53.9,66.94 53.55,67.29 53.55,83.86 49.49,87.92 47.45,87.92 45.8,89.57 45.8,91.89 44.86,92.83 37.9,92.83 J2.7
/IN_IAT: length 42.6
  Top w0.2: M6.S20 76.05,48.75 76.05,51.25 80.6,55.8 80.6,76.13 81.45,76.98 81.45,77.24 81.26,77.43 81.26,77.44 81,77.7 81,81.81 84.41,85.22 J10.15
/IN_KNOCK: length 2.1
  Bottom w0.2: M2.E3 77.68,73.03 76.44,71.8 R6.1
/IN_KNOCK_RAW: length 4.5
  Top w0.2: M2.W1 78.67,82.6 J10.14
/IN_MAP: length 40.3
  Top w0.2: J10.9 60.3,82.8 66.45,76.65 66.45,75.43 67.13,74.75 67.13,48.23 M6.S13
/IN_PPS1: length 47.4
  Top w0.2: J10.6 79.82,90.72 79.2,90.1 79.2,83.62 77.96,82.38 76.78,82.38 76.15,81.75 76.15,65.14 75.7,64.69 75.7,49.6 M6.S19
/IN_PPS2: length 78.2
  Top w0.2: J2.4 26.97,94.5 47.88,94.5 56.85,85.53 56.85,71.48 57.03,71.3 57.03,70.47 57,70.44 57,51.7 M6.S8
/IN_TPS1: length 39.1
  Top w0.2: J10.13 75.8,83.92 75.8,65.29 75.3,64.79 75.3,50.4 M6.S18
/IN_TPS2: length 88.5
  Top w0.2: M6.S9 57.35,52.55 57.35,70.29 57.38,70.33 57.38,71.44 57.2,71.63 57.2,85.68 47.98,94.9 24.1,94.9 21.15,91.95 21.15,87.28 J2.14
/IN_VIGN: length 5.6
  Top w0.5: F1.2 22.8,16.05 24.08,17.32 24.08,19.19 24.31,19.43 M1.V2
/IN_VMAIN: length 73.6
  Top w0.2: v1(12.2,39.2) 12.7,39.2 17.07,43.57 v1(17.39,43.57)
  In2.Cu w0.2: v1(15,21.1) 11.44,24.66 11.44,26.58 12.53,27.66 12.15,28.04 12.15,39.15 v1(12.2,39.2) ; v1(40.9,48.4) 39.9,48.4 35.9,44.4 18.22,44.4 v1(17.39,43.57)
  Bottom w0.2: v1(15,21.1) 15.9,20.2 R2.1 R3.2 ; M6.S6 57.44,48.86 41.36,48.86 v1(40.9,48.4)
/INJ1: length 94.1
  Top w0.2: v1(12.1,26.3) 12.25,26.45 12.25,27.93 11.73,28.45 11.73,30.81 10.58,31.95 8.06,31.95 4.25,35.76 4.25,43.39 v1(4.19,43.45) 4.2,43.46 4.2,45.92 4.15,45.97 4.15,50.39 1.3,53.24 1.3,75.23 v1(1.45,75.38)
  Bottom w0.2: R42.1 1.45,74.55 v1(1.45,75.38) ; v1(12.1,26.3) 13.2,27.4 16.91,27.4 19.79,24.53 21.91,24.53 21.96,24.53 22.69,25.25 25.26,25.25 25.46,25.05 27.74,25.05 28.04,25.35 29.33,25.35 30.03,26.05 32.47,26.05 32.77,26.35 36.72,26.35 36.91,26.54 44.36,26.54 M6.E17 ; R29.2 4.25,43.39 v1(4.19,43.45)
/INJ2: length 84.8
  In2.Cu w0.2: v1(37.36,27.21) 36.37,28.2 30.4,28.2 28.6,26.4 26.65,26.4 21.4,31.65 21.4,37.5 16.6,42.3 16.6,43.7 17.35,44.45 17.35,62.19 15.94,63.6 14.6,63.6 12.22,65.98 12.22,67.94 v1(11.85,68.3)
  Bottom w0.2: R30.2 37.09,26.95 v1(37.36,27.21) 44.49,27.21 M6.E16 ; R43.1 4.51,73.79 4.51,72.49 4.5,72.48 4.5,69.4 5.15,68.75 7.45,68.75 7.9,68.3 v1(11.85,68.3)
/INJ3: length 57.4
  Top w0.2: v1(11.53,27.72) 11.38,27.87 11.38,30.66 10.44,31.6 7.91,31.6 3.85,35.66 3.85,39.45 v1(3.2,40.1)
  Bottom w0.2: v1(3.2,40.1) 3.2,40.35 R44.1 R31.2 ; v1(11.53,27.72) 11.61,27.8 17.01,27.8 19.93,24.88 21.82,24.88 22.54,25.6 25.4,25.6 25.6,25.4 27.5,25.4 27.8,25.7 29.19,25.7 29.89,26.4 32.32,26.4 32.52,26.6 32.52,26.6 32.71,26.79 34.91,26.79 36,27.87 44.63,27.87 M6.E15
/INJ4: length 12.7
  Bottom w0.2: M6.E14 44.8,28.5 35.7,28.5 34.8,27.6 R32.2
/INJ5: length 46.2
  In2.Cu w0.2: v1(31,27.2) 29.35,25.55 26.51,25.55 20.7,31.36 20.7,37.21 15.61,42.3 13.1,42.3 v1(12.9,42.5)
  Bottom w0.2: v1(31,27.2) R33.2 32.33,27.2 33.33,28.2 34.47,28.2 35.37,29.1 45,29.1 M6.E13 ; v1(12.9,42.5) 12.8,42.4 R46.1
/INJ6: length 56.3
  Top w0.2: v1(12.8,28.6) 12.15,29.25 12.15,31 10.85,32.3 8.3,32.3 5.81,34.79 5.81,39.21 v1(6.6,40)
  Bottom w0.2: M6.E12 45.4,29.5 35.27,29.5 34.32,28.55 33.18,28.55 32.83,28.2 29.68,28.2 28.53,29.35 26.27,29.35 22.87,25.95 22.4,25.95 21.67,25.23 20.08,25.22 16.9,28.4 13,28.4 v1(12.8,28.6) ; v1(6.6,40) 6.6,40.3 R47.1 R34.2
/INTERNAL_MAP: length 29.5
  Top w0.2: M6.S12 66.5,48.8 66.5,57.59 65.92,58.17 65.92,68.35 U3.1 60.91,68.94 U3.1
/LS1: length 67.4
  Top w0.2: R48.1 R10.2 27.8,71.5 v1(27.1,70.8)
  In2.Cu w0.2: v1(27.1,70.8) 26.55,71.35 v1(25.25,71.35)
  Bottom w0.2: M6.E11 39.2,29.9 37.9,31.2 31.63,31.2 30.58,30.15 27.07,30.15 26.57,30.65 25.45,30.65 24.9,31.2 24.9,71 v1(25.25,71.35)
/LS2: length 68.9
  Top w0.2: v1(30.8,32.2) 30.56,32.44 30.56,34.48 30.6,34.52 30.6,38.11 29.95,38.76 29.95,64.38 30.05,64.48 30.05,65.7 26.4,69.35 26.4,77.64 26.96,78.2 29.25,78.2 R49.1 R11.2
  Bottom w0.2: M6.E10 38.89,30.7 38.04,31.55 31.45,31.55 v1(30.8,32.2)
/LS3: length 80.9
  Top w0.2: v1(30.4,25.4) 30.15,25.65 30.15,31.25 v1(30,31.4)
  Bottom w0.2: M6.E18 45,23.7 42.55,26.15 37.02,26.15 36.87,26 33.05,26 32.45,25.4 v1(30.4,25.4) ; v1(30,31.4) 29.75,31.65 27.43,31.65 26.98,31.2 25.5,31.2 25.27,31.43 25.27,70.44 25.91,71.08 25.91,73.94 25.03,74.82 25.03,75.7 26.11,76.78 29.58,76.78 R12.2 R50.1
/LS4: length 72.1
  Top w0.2: v1(25.92,68.8) 25.25,68.13 25.25,29.63 26.03,28.85 28.07,28.85 29.4,27.52 v1(29.4,24.7)
  Bottom w0.2: v1(25.92,68.8) 27.17,70.05 29.35,70.05 R13.2 R51.1 ; v1(29.4,24.7) 29.45,24.65 37.25,24.65 38.35,25.75 42.34,25.75 45.19,22.9 M6.E19
/LS_HOT1: length 137.5
  Top w0.2: v1(85.9,82.4) 85.1,81.6 84.33,81.6 83.76,81.6 82.43,80.26 82.43,78.26 82.66,78.02 82.66,78.01 82.85,77.82 82.85,76.4 82.22,75.78 82.22,35.86 79.2,32.83 M6.W4
  In2.Cu w0.2: v1(85.9,82.4) 85.31,81.81 82.92,81.81 82.23,82.5 v1(9.15,82.5)
  Bottom w0.2: v1(9.15,82.5) 9.32,82.67 9.32,83.76 8.03,85.05 ; R41.1 7.29,87.19 7.29,85.76 R16.1
